# Allegro board BeagleBone AI -64_PCB_V1.02_211119.brd (continued)
## Routing (per net, layer and track width the routed paths; a pad name or vN(x,y) marks a point on that pad's centre or on a via; arc(x,y) is an arc through that point) (continued)
  BOTTOM w0.203: C124.1 v1(2.99,32.09)
  BOTTOM w0.381: v1(2.52,32.31) 2.78,32.05 C124.1
  vias: v1(-3.49,51.19)
VDD_CPU_AVS: length 65.9
  TOP w0.203: U30.22 42.63,49.2 v1(42.65,49.18)
  TOP w0.254: 13.06,65.74 v1(13.06,65.79) ; 14.32,61.43 v1(14.28,61.39) ; v1(13.32,60.02) 13.27,59.98 13.2,59.98 ; v1(11.51,59.95) 11.55,59.98 11.6,59.98
  TOP w0.305: v1(-1.89,51.19) -2.29,50.79 U19.U10 ; v1(-1.89,48.79) -2.29,49.19 U19.R10 -2.29,49.18 v1(-2.69,49.58) ; v1(-3.49,49.58) -3.89,49.19 U19.R12 -3.89,49.18 v1(-4.29,49.58) ; 2.78,63.3 C395.1 2.9,63.3 v1(2.95,63.25) ; U19.N10 -2.29,47.58 v1(-2.69,47.18) ; U19.N10 v1(-1.89,47.18) ; U19.N10 v1(-2.69,47.98) -3.09,48.38 U19.P11 -3.09,48.38 v1(-2.69,48.78) ; U19.W10 -2.29,52.39 v1(-1.89,52.79) ; U19.V11 -3.09,51.59 v1(-2.69,51.99) ; v1(8.64,63.7) 8.62,63.7 8.29,64.03 C415.3 ; C415.1 7.5,63.03 7.73,62.81 7.73,62.28 v1(7.68,62.23) ; v1(-1.09,51.99) -1.49,51.59 U19.V9
  L10-SIGNAL w0.203: v1(42.65,49.18) 42.65,49.62 42.01,50.27 38.72,50.27 37.65,49.2 30.82,49.2 27.29,52.73 9.59,52.73 7.15,50.29 -3.83,50.29 -4.28,50.75 v1(-4.28,51.19)
  BOTTOM w0.203: C80.1 v1(21.98,55.16)
  BOTTOM w0.254: C162.1 -1.87,51.16 v1(-1.89,51.19) ; v1(-2.69,51.19) -2.74,51.14 C175.1
  BOTTOM w0.305: v1(-4.28,51.19) -4.43,51.04 C195.1 ; C162.1 -2.02,50.91 C169.1 ; v1(-1.89,51.19) -2.63,51.19 C175.1 -2.74,51.84 C167.1 ; C169.3 -2.73,49.62 v1(-2.69,49.58)
  vias: v1(4.17,63.25) v1(5.72,63.32) v1(9.38,63.63) v1(9.38,61.63) v1(9.38,59.82) v1(9.76,65.64) v1(11.49,63.65) v1(11.49,61.6) v1(12,65.71) v1(12.69,63.66) v1(12.69,61.76) v1(13.65,60.35) v1(14.66,63.27) v1(14.89,65.79) v1(22.49,55.17) v1(23.09,55.2) v1(23.7,55.21) v1(24.47,55.2) v1(25.8,55.21) v1(26.46,55.23) v1(37.8,45.9) v1(37.8,44.81) v1(38.24,45.33) v1(38.69,45.9) v1(38.67,44.78) v1(45.53,62.87) v1(45.52,62.1) v1(45.68,45.9) v1(45.68,44.81) v1(45.96,62.47) v1(46.12,45.33) v1(46.43,62.87) v1(46.44,62.1) v1(46.54,44.78) v1(46.56,45.9)
VDD_CPU_RAM_0V85: length 11.2
  TOP w0.254: v1(-3.49,52.79) -3.49,52.78 U19.W12 ; U19.L11 v1(-2.69,45.58)
  L5-SIGNAL w0.152: v1(-3.49,52.79) -3.9,52.38 -4.46,52.38 -4.68,52.16 -4.68,46.22 -4.45,46 -3.1,46 v1(-2.69,45.58)
  BOTTOM w0.165: C112.1 7.78,30.56 v1(7.7,30.48)
  vias: v1(2.78,35.16) v1(7.7,29.97)
VDD_DDR_1V1: length 70.4
  TOP w0.102: U25.F10 19.51,40.64 19.85,40.64 19.85,40.64 20.12,40.64 20.12,40.64 20.46,40.64 U25.F8 ; 21.12,47.15 19.51,47.15 U25.U10 18.86,47.15 18.12,47.15
  TOP w0.203: v1(17.16,42.57) 17.07,42.57 16.74,42.24 16.74,41.65 17.01,41.38 17.35,41.38 U25.H12 ; C413.1 v1(7.17,32.08) ; C418.1 v1(8.44,32.01)
  TOP w0.229: 18.88,40.67 18.88,40.62 U25.F10 ; U19.T1 4.92,49.98
  TOP w0.254: U25.H1 v1(26.79,41.94) ; U25.AA3 v1(25.19,49.75) ; v1(-0.29,48.79) -0.69,49.19 U19.R8 ; 18.76,37.37 18.82,37.44 18.9,37.44 U25.B10 ; U29.49 40.57,30.81 40.39,30.99 40.39,31.04 v1(40.43,31.04) ; U19.T7 0.11,49.99 v1(0.51,49.59) ; U25.U8 20.79,47.48 v1(21.19,47.8) ; v1(27.18,48.95) 27.31,48.95 27.13,48.77 U25.W1 ; v1(19.59,42.59) U25.K10 ; 4.91,49.98 U19.T1 4.91,49.98 ; 4.91,49.98 4.91,49.99 ; 4.91,49.98 4.91,49.98 ; U19.P7 0.11,48.38 v1(0.51,47.98) ; U25.B5 22.9,37.44 22.83,37.37 22.54,37.37 v1(22.22,37.69) 21.82,38.09 21.15,38.09 U25.B8 ; v1(22.79,41.29) 23.18,41.62 U25.H5 ; U25.K12 17.59,42.92 17.16,42.57 ; v1(1.31,43.98) 0.91,44.38 U19.J6 ; U25.N1 v1(26.79,44.55) ; C470.1 v1(26.55,34.8) ; v1(22.79,39.99) 23.19,40.32 U25.F5 ; C477.1 v1(29.68,52.66) ; C460.1 20,51.89 20.24,51.66 v1(20.24,51.2) 19.99,50.95 U25.AB9 ; U25.N3 v1(24.39,45.2) ; U25.U5 23.19,47.47 v1(22.79,47.15) ; U19.N8 v1(-0.29,47.18) ; U25.R1 v1(26.79,45.85) ; v1(24.39,42.59) U25.K3 ; C475.1 v1(29.02,38.81) ; U25.D8 21.07,38.74 21.07,38.74 21.17,38.64 ; v1(0.51,46.38) 0.11,46.78 U19.M7 ; 17.16,42.57 v1(17.16,42.57) ; U25.AA8 21.17,50.45 ; U25.F8 v1(21.19,39.99) ; v1(28.51,52.68) 28.28,52.91 C472.1 ; U19.M9 -1.49,46.77 -1.1,46.38 v1(-1.09,46.38) ; 27.6,39.02 v1(27.65,38.97) ; v1(-0.29,45.58) -0.69,45.98 U19.L8 ; C477.3 v1(29.68,53.85) ; U25.B3 v1(25.19,38.04) ; U25.AA5 22.82,50.44 22.82,50.45 ; U19.A1 v1(5.31,37.58) ; U25.D5 22.7,39.02 ; v1(25.19,39.99) 24.79,40.32 U25.F3 ; U25.R12 v1(17.19,45.85) ; C468.1 v1(25.41,32.93) ; U25.W12 17.01,48.77 ; U25.R5 v1(22.79,46.5) ; U19.H7 v1(0.51,43.18) ; v1(21.19,46.5) 20.79,46.18 U25.R8 ; U19.G8 -0.61,42.71 v1(-0.29,42.38) ; U25.N10 v1(19.59,45.2) ; U25.W5 22.72,48.77 ; v1(24.39,37.39) 23.99,37.07 U25.A4 ; C471.1 v1(27.72,33.75) ; C474.1 v1(28.97,33.76) ; v1(1.31,48.79) 0.91,49.19 U19.R6 ; U25.A9 20.02,37.06 20.38,37.35 v1(20.39,37.39) ; U25.W8 21.26,48.77 ; U19.J8 v1(-0.29,43.98) ; U25.N12 17.59,44.47 17.56,44.45 17.56,44.15 v1(17.71,44) ; U25.AA10 18.8,50.45 ; v1(25.19,47.8) 24.79,47.47 U25.U3 ; 4.92,49.98 v1(5.31,49.59) ; U19.K7 v1(0.51,44.78) ; v1(26.79,43.24) U25.K1 ; U25.AB4 v1(23.99,51.26)
  TOP w0.305: 26.39,39.02 26.43,39.02 26.7,38.75 ; 26.39,39.02 26.64,39.27 ; 26.39,39.02 U25.D1 ; U25.H8 v1(21.19,41.29) ; 17.24,39.38 17.24,39.37 U25.D12 17.26,38.7 17.15,38.7
  TOP w0.381: v1(8.95,31.74) 9.19,31.49 C422.1 ; C422.3 9.14,33.49 v1(8.97,33.33)
  L9-PWR/GND w0.381: 32.32,35.31 32.41,35.4 37.91,35.4 38.36,34.95 38.36,33.73 39.81,32.28 39.81,31.66 v1(40.43,31.04)
  BOTTOM w0.229: C57.1 27.46,49.09 27.31,48.95 ; C82.1 20.49,51.98 20.33,51.82 ; 24.06,51.79 23.88,51.98 C73.1 ; C69.1 24.56,36.61 24.39,36.78 ; 5.39,49.56 5.33,49.56 ; C90.1 19.92,35.9 20.05,36.02 ; C103.1 16.36,42.48 16.57,42.68 16.8,42.68
  BOTTOM w0.254: v1(20.24,51.2) 20.33,51.29 20.33,51.82 ; R38.1 v1(29.02,38.81) C55.1 ; v1(17.16,42.57) 17.05,42.68 16.8,42.68 ; v1(20.39,37.39) 20.05,37.06 20.05,36.02 ; R44.1 v1(21.77,53.5) ; v1(5.31,49.59) 5.7,49.2 5.7,49.1 5.91,48.89 C116.1 ; v1(21.8,35.44) R43.1 R42.1 ; v1(24.39,37.39) 24.39,37.39 24.39,36.78 ; v1(23.99,51.26) 24.06,51.34 24.06,51.79 ; v1(27.18,48.95) 27.31,48.95 27.09,48.72 26.63,48.72 R39.1 ; v1(5.31,37.58) 5.8,37.58 6.01,37.78 C115.1
  vias: v1(7.17,33.27) v1(7.61,35.47) v1(8.44,33.27) v1(8.85,35.47) v1(10.27,35.47) v1(10.42,48.04) v1(10.42,45.5) v1(10.42,39.15) v1(11.46,35.46) v1(14.97,46.34) v1(16.52,32.93) v1(18.07,53.5) v1(18.68,32.93) v1(20.61,34.45) v1(20.84,32.93) v1(21.99,40.59) v1(23.12,32.93) v1(25.18,34.45) v1(26.3,43.77) v1(26.5,53.52) v1(27.72,35.09) v1(27.85,35.72) v1(28.66,44.97) v1(28.66,43.31) v1(28.66,42.07) v1(28.78,48.19) v1(28.84,47.68) v1(28.97,35.09) v1(29.55,44.97) v1(29.6,43.06) v1(30.66,33.99) v1(30.82,36.04) v1(30.99,45.75) v1(30.99,45.11) v1(30.99,44.55) v1(32.11,45.72) v1(32.15,44.53) v1(32.16,45.09)
VDD_DDR_1V1_REG: length 16.7
  TOP w0.305: R348.1 C504.1 v1(39.28,43.46)
  TOP w0.381: v1(38.33,37.42) 37.8,36.88 R347.1
  L10-SIGNAL w0.305: v1(38.33,37.42) 37.19,38.56 35.31,38.56 32.16,41.71 v1(32.16,42.85)
  BOTTOM w0.305: 33.81,42.9 38.72,42.9 v1(39.28,43.46) ; 33.56,43.46 33.56,43.46
  vias: v1(30.99,43.49) v1(30.99,42.85) v1(32.15,43.55) v1(33.23,43.51) v1(33.23,42.83)
VDD_DDR_1V8: length 6.8
  TOP w0.229: U25.G4 v1(23.59,41.29) ; U25.U1 26.39,47.47 v1(26.79,47.15) ; U25.T4 v1(24.39,46.5) ; v1(26.79,40.64) 26.39,40.32 U25.F1 ; U25.F12 v1(17.19,39.99) ; U25.G9 v1(19.59,41.29)
  TOP w0.254: v1(17.19,47.8) 17.26,47.8 U25.U12 ; v1(19.59,46.5) 19.99,46.82 U25.T9
  BOTTOM w0.229: v1(26.79,47.15) 26.92,47.28 27.6,47.28 27.65,47.23 ; v1(17.19,47.8) 16.98,47.8 16.62,47.43 C99.1 ; v1(17.19,39.99) 17.06,39.86 16.67,39.86 16.49,39.68 C100.1
  vias: v1(18.33,34.45) v1(20.26,53.5) v1(22.77,34.45) v1(23.44,53.5) v1(26.61,51.98) v1(27.65,47.26) v1(27.65,40.56) v1(28.43,50.04) v1(28.43,49.48) v1(28.4,48.97) v1(28.84,49.18) v1(29.07,40.52)
VDD_IO_1V8_REG: length 2.1
  TOP w0.305: U29.9 35.14,25.14 35.05,25.22 v1(34.55,25.22) 34.52,25.22 C485.1
  vias: v1(34.27,24.79)
VDD_MCU_0V85: length 22.2
  TOP w0.203: C340.3 v1(-19.06,31.48) ; C345.3 v1(-16.99,31.5) ; FL13.1 v1(-13.02,31.05)
  TOP w0.254: C347.1 -17.05,27.87 v1(-17.09,27.87) ; C340.1 v1(-19.06,30.25) ; C347.3 v1(-16.94,29.08) ; C343.1 v1(-18.9,33.31) ; C345.1 v1(-16.99,30.25) ; C344.1 v1(-17.94,33.31) ; C346.1 v1(-16.98,33.32) ; -19.06,27.58 v1(-19.06,27.64)
  TOP w0.305: U19.P19 -9.49,48.38 v1(-9.89,47.98) ; C341.3 -18.4,29.56 v1(-17.98,29.14) ; v1(-10.69,45.58) -10.29,45.98 U19.L20 ; U19.M19 -9.49,46.78 v1(-9.89,46.38) ; U30.50 42.13,58.51 v1(42.13,58.51) ; U19.M21 -11.09,46.78 v1(-11.49,46.38) ; v1(-10.69,47.18) -10.29,47.58 U19.N20
  L5-SIGNAL w0.381: v1(33.79,59.74) 36.71,59.74 38.61,57.84 41.46,57.84 v1(42.13,58.51)
  BOTTOM w0.254: v1(-11.49,46.38) -11.49,46.39 C255.1 ; v1(33.28,60.16) 33.61,60.49 35.26,60.49 36,59.74 R29.2 36.52,59.51 36.34,59.33 34.21,59.33 v1(33.79,59.74)
VDD_MCU_0V85_REG:
  vias: v1(37.51,62.82) v1(37.5,61.72) v1(37.94,62.26) v1(38.41,62.82) v1(38.38,61.7)
VDD_MCU_RAM_0V85: length 1.2
  TOP w0.203: C354.1 v1(-13.4,34.39) ; -14.79,32.87 v1(-14.79,32.88)
  TOP w0.305: U19.T19 -9.49,49.99 v1(-9.89,49.59) ; v1(-9.89,44.78) -9.49,45.18 U19.K19
VDD_MMC1: length 0.5
  BOTTOM w0.254: v1(-30.45,55.86) v1(-30.45,56.36)
VDD_PHYIO_1V8: length 1.9
  TOP w0.203: FL15.1 v1(-11.37,31.19)
  TOP w0.305: FL19.1 v1(-2.86,65.91) ; U30.37 v1(47.03,54.62)
  BOTTOM w0.254: FL2.1 19.7,55.19 19.44,55.19 19.23,55.4 18.98,55.4 18.98,55.44 v1(19.02,55.44)
  BOTTOM w0.406: FL18.1 v1(-4.05,29.97)
  vias: v1(-10.89,31.55) v1(20.02,55.3) v1(50.73,54.46) v1(50.78,53.6) v1(51.3,54) v1(51.82,54.43) v1(51.82,53.57)
VDD_RAM_0V85_REG: length 4.9
  TOP w0.203: FL25.1 v1(7.7,28.26)
  TOP w0.254: U29.37 v1(45.01,26.64)
  L10-SIGNAL w0.381: v1(48.34,26.21) 47.91,26.65 46.13,26.65 46.12,26.64 v1(45.01,26.64)
  BOTTOM w0.203: FL4.1 5.6,28.29 v1(5.62,28.27)
  vias: v1(6.43,28.17) v1(48.39,25.35) v1(48.92,25.75) v1(49.43,26.21) v1(49.41,25.33)
VDD_SD_DV: length 18.7
  TOP w0.203: v1(-28.77,51.28) R189.1 ; v1(-27.25,59.62) -27.35,59.72 R201.1 ; v1(-28.77,54.13) -28.85,54.05 R188.1 ; R203.1 -27.3,57.71 -26.94,57.35
  TOP w0.254: R203.1 -27.35,57.74 R202.1 ; -26.94,57.35 -26.94,57.25 v1(-26.89,57.2)
  TOP w0.305: U19.T22 -11.89,49.99 v1(-12.29,49.59) ; U19.T20 -10.29,49.99 v1(-10.69,49.59)
  L5-SIGNAL w0.305: v1(-10.69,49.59) -11.2,50.1 -11.79,50.1 -12.29,49.59 ; -12.29,49.59 -12.79,50.09 -19.53,50.09 -20.85,48.77 v1(-21.99,48.77) ; -12.29,49.59 v1(-12.29,49.59)
  L5-SIGNAL w0.381: v1(-26.89,57.2) -27.25,57.56 v1(-27.25,59.62)
  BOTTOM w0.254: v1(-21.99,48.77) -22.06,48.7 C279.1
  vias: v1(-28.62,49.81) v1(-27.96,49.77) v1(-19.04,49.63) v1(-18.54,49.63) v1(35.82,19.38) v1(35.82,18.87)
VDD_SD_DV_REG: length 2
  TOP w0.305: v1(34.7,22.23) 34.78,22.3 34.78,22.34 35.58,23.14 U29.13
  vias: v1(34.27,22)
VDDA_0P8_CSIRX: length 2.1
  TOP w0.305: U19.H17 -7.89,43.58 v1(-8.29,43.18)
  BOTTOM w0.254: C222.1 -8.13,43.02 v1(-8.29,43.18)
  BOTTOM w0.381: v1(-7.89,34.35) C213.1 -7.28,34.35 -7.28,33.75 -7.24,33.71
VDDA_0P8_DLL_MMC0: length 19.4
  TOP w0.254: U19.Y9 -1.49,53.19 v1(-1.09,53.59)
  L10-SIGNAL w0.152: 2.76,61.35 2.53,61.12 2.53,60.66 2.27,60.4 1.98,60.4 1.72,60.15 1.72,59.86 1.47,59.6 1.18,59.6 0.9,59.32 0.9,58.23 0.64,57.97 0.35,57.97 0.11,57.73 0.11,53.44 -0.13,53.2 -0.7,53.2 v1(-1.09,53.59)
  L10-SIGNAL w0.305: v1(3.56,62.16) 2.76,61.35
  BOTTOM w0.305: v1(3.56,62.16) 4.17,61.55 6.44,61.55 6.53,61.64 C114.1
  BOTTOM w0.381: C114.1 7.05,62.73 C113.1 6.88,63.76 6.88,63.76 FL3.2
VDDA_0P8_DP: length 1.1
  TOP w0.305: U19.J12 -3.89,44.38 v1(-3.49,43.98) ; U19.G12 -3.89,42.78 v1(-3.49,42.38)
  vias: v1(-1.8,34.37)
VDDA_0P8_DP_C: length 2.5
  TOP w0.305: v1(-5.09,42.38) -5.49,42.78 U19.G14 ; U19.H13 -4.69,43.58 v1(-4.29,43.18)
  BOTTOM w0.305: v1(-5.09,42.38) -4.66,42.81 -4.66,42.93 -4.32,43.27 -4.32,43.29 -4.29,43.25 v1(-4.29,43.18)
  vias: v1(-2.2,33.71)
VDDA_0P8_DSITX: length 3.4
  TOP w0.305: U19.H15 -6.29,43.58 v1(-6.69,43.18) ; v1(-7.53,35.82) -7.53,35.32 -7.28,35.07 -7.28,34.35 ; v1(-7.49,43.98) -7.09,44.38 U19.J16
  TOP w0.381: -7.24,33.7 -7.28,33.74 -7.28,34.35
  BOTTOM w0.305: -7.56,35.85 v1(-7.53,35.82)
VDDA_0P8_PLL_DDR: length 0.6
  TOP w0.305: U19.N9 -1.49,47.58 v1(-1.09,47.18)
  vias: v1(4.21,32.34)
VDDA_0P8_PLL_MLB: length 16.8
  TOP w0.254: U19.W8 -0.69,52.39 v1(-0.29,52.79)
  TOP w0.381: FL26.2 C427.1 10.67,58.66 C420.1
  L3-SIGNAL w0.152: 5.42,57.71 4.4,57.71 3.86,57.17 3.55,57.17 3.33,56.95 3.33,56.63 3.06,56.37 2.75,56.37 2.53,56.15 2.53,55.83 2.26,55.57 1.95,55.57 1.72,55.35 1.72,55.03 1.46,54.77 1.15,54.77 0.92,54.55 0.92,54.23 0.67,53.98 0.35,53.98 0.12,53.75 0.12,53.2 v1(-0.29,52.79)
  L3-SIGNAL w0.381: 5.42,57.71 6.1,58.4 7.82,58.4 7.87,58.35 9.15,58.35 v1(9.51,58.7)
VDDA_0P8_SERDES: length 4.6
  TOP w0.305: v1(-4.29,53.59) -4.69,53.19 U19.Y13 ; U19.AA15 -6.29,53.99 v1(-6.69,54.39) ; U19.Y16 -7.09,53.19 v1(-7.49,53.59) ; v1(-5.89,53.59) -5.49,53.19 U19.Y14 ; U19.AA12 -3.89,53.99 v1(-3.49,54.39) ; C352.1 v1(-12.59,65.33) ; v1(-2.69,53.59) -3.09,53.19 U19.Y11 ; FL14.2 v1(-12.59,64.13)
  L12-SIGNAL w0.406: v1(-2.69,53.59) v1(-3.49,54.39)
VDDA_0P8_SERDES_C: length 3
  TOP w0.305: U19.AB12 -3.89,54.79 v1(-3.49,55.19) ; v1(-4.29,55.19) -4.69,54.79 U19.AB13 ; U19.AB14 -5.49,54.79 v1(-5.89,55.19) ; U19.AB15 -6.29,54.79 v1(-6.69,55.19) ; v1(-6.55,67.01) -6.3,66.76 C369.1
  vias: v1(-6.55,66.35)
VDDA_0P8_USB: length 15.7
  TOP w0.305: U19.AA10 -2.29,53.99 v1(-1.89,54.39) ; U19.AB9 v1(-1.09,55.18)
  TOP w0.381: v1(1.52,63.16) C390.1 1.6,63.24 C389.1 1.66,64.49 FL21.2
  L5-SIGNAL w0.152: v1(-1.09,55.18) -0.69,55.58 -0.12,55.58 0.12,55.81 0.12,61.05 0.38,61.31 1.17,61.31
  L5-SIGNAL w0.381: v1(1.52,63.16) 1.52,61.66 1.17,61.31
  L5-SIGNAL w0.406: v1(-1.09,55.18) -1.52,54.75 -1.52,54.75 v1(-1.89,54.39)
  BOTTOM w0.406: C238.1 1.23,63.45 v1(1.52,63.16)
VDDA_1P8_CSI_RX: length 0.6
  TOP w0.203: C363.1 v1(-10.37,34.38)
  TOP w0.254: C364.1 v1(-9.81,32.7)
  TOP w0.305: U19.G16 -7.09,42.78 v1(-7.49,42.38)
VDDA_1P8_DP: length 1.9
  TOP w0.305: v1(-2.69,43.18) -3.09,43.58 U19.H11
  TOP w0.406: v1(-3.83,35.03) -4.26,35.03 -4.67,34.62 C378.1
VDDA_1P8_DSITX: length 33.9
  TOP w0.254: 0.51,52.79 v1(0.51,52.79) 0.11,52.39 U19.W7 0.13,52.41
  TOP w0.305: U19.J14 -5.49,44.38 v1(-5.09,43.98) ; v1(-0.29,55.99) -0.69,55.59 U19.AC8
  L5-SIGNAL w0.152: 0.11,61.8 -0.7,60.99 -0.7,56.4 v1(-0.29,55.99)
  L5-SIGNAL w0.381: v1(-0.58,63.68) 0.11,62.99 0.11,61.8
  L10-SIGNAL w0.127: v1(-0.29,55.99) -0.68,55.6 -0.68,54.8 -0.67,54.79 -0.67,54.27 -0.99,53.96 -1.24,53.96 -1.52,53.69 -1.52,53.43 -1.75,53.2 -4.85,53.2 ; v1(0.51,52.79) 0.14,52.41 -4.74,52.41 ; -4.74,52.41 -4.77,52.41 ; -4.74,52.41 -4.98,52.66 ; -4.77,52.41 -4.97,52.41 -4.98,52.4 ; -4.77,52.41 -4.98,52.2
  L10-SIGNAL w0.305: -4.85,53.2 -4.98,53.07 -4.98,51.2 -5.63,50.55 -5.63,44.52 v1(-5.09,43.98)
  BOTTOM w0.381: C149.1 v1(-0.58,63.68)
  BOTTOM w0.406: C191.1 -4.67,34.62 v1(-5.1,35.05)
VDDA_1P8_SERDES: length 2.5
  TOP w0.305: U19.AC15 v1(-6.69,55.98) ; U19.AC12 -3.89,55.59 v1(-3.49,55.99) ; v1(-5.89,55.99) -5.49,55.59 U19.AC14 ; v1(-2.69,55.99) -3.09,55.59 U19.AC11
  BOTTOM w0.254: C94.1 v1(18.35,58.62) ; C87.1 v1(19.62,58.25)
VDDA_1P8_USB: length 12
  TOP w0.305: v1(-1.09,55.99) -1.49,55.59 U19.AC9
  TOP w0.381: v1(-1.42,63.4) -1.44,63.42 C382.1 -1.39,64.53 FL19.2
  L5-SIGNAL w0.152: -0.45,61.8 -0.91,61.34 -1.29,61.34 -1.49,61.14 -1.49,56.39 v1(-1.09,55.99)
  L5-SIGNAL w0.381: -0.45,61.8 -0.45,62.71 -0.78,63.04 -1.06,63.04 v1(-1.42,63.4)
VDDA_LM5141: length 3.8
  BOTTOM w0.203: U3.2 15.93,13.54 15.78,13.39 15.78,13.08 15.74,13.04 ; 15.74,13.04 U3.1 ; 15.74,13.04 15.53,13.04 v1(15.42,12.93) 15.38,12.89 C106.2 ; U3.5 v1(15.88,15.04) ; v1(19.74,11.69) 19.64,11.79 U3.19
VINT_LEOA_1V8: length 13.2
  TOP w0.254: R338.1 33.33,48.16 v1(33.51,48.34)
  TOP w0.305: v1(36.2,57.56) 36.46,57.56 36.68,57.33 36.84,57.33 37.54,56.62 U30.2
  L5-SIGNAL w0.381: v1(33.51,48.34) 34.32,49.15 34.32,54.74 35.64,56.06 35.64,57 v1(36.2,57.56)
VINT_LEOB_1V8: length 2.5
  TOP w0.305: U29.2 35.42,28.64 C482.1
A23_USB_HUB_RST: length 16
  TOP w0.165: U19.A23 -12.98,37.69 -12.98,37.24 -12.03,36.3 v1(-12.03,35.49) ; R289.1 -15.82,24.3 v1(-15.56,24.56)
  L10-SIGNAL w0.102: v1(-15.56,24.56) -15.56,25.81 -15.08,26.29 -15.08,31.8 -12.92,33.96 -12.92,34.6 v1(-12.03,35.49)
AA1_UART1_CTSN: length 47.1
  TOP w0.165: v1(43.01,63.55) 43.64,64.19 U32.13 ; v1(7.5,55.75) 6.68,55.75 U19.AA1
  L3-SIGNAL w0.102: v1(43.01,63.55) 43.01,63.15 43.05,63.11 43.05,61.06 41.34,59.36 41.34,59.17 v1(41.05,58.88)
  L5-SIGNAL w0.102: v1(15.58,57.66) 13.6,57.66 12.45,56.52 10.78,56.52 10.32,56.97 9.82,56.97 8.98,56.14 7.88,56.14 v1(7.5,55.75)
  L10-SIGNAL w0.102: v1(41.05,58.88) 41.05,58.35 40.77,58.07 34.7,58.07 34.61,57.98 32.89,57.98 32.14,57.23 18.68,57.23 17.96,57.94 15.86,57.94 v1(15.58,57.66)
AA2_UART0_RTSN: length 18
  TOP w0.229: U19.AA2 4.51,54.38 v1(4.51,54.39)
  L10-SIGNAL w0.102: v1(4.51,54.39) 4.75,54.39 5.08,54.71 5.39,54.71 5.75,55.07 5.75,57.53 7.5,59.29 13.43,59.29 15.68,61.54 16.23,61.54 16.49,61.8 16.54,61.8 16.54,61.79 v1(16.53,61.79)
  BOTTOM w0.165: R55.1 16.52,62.25 16.53,62.24 v1(16.53,61.79)
AA3_I2C6_SCL: length 7.1
  TOP w0.229: v1(3.71,54.39) 3.31,53.99 U19.AA3
  L3-SIGNAL w0.102: v1(3.71,54.39) 3.71,54.68 4.15,55.12 4.15,55.34 4.37,55.55 6.13,55.55 6.41,55.27 8.52,55.27 8.74,55.5 v1(9.15,55.5)
  BOTTOM w0.165: v1(9.15,55.5) 9.2,55.5 R78.1
AA4_UART1_RXD: length 51.4
  TOP w0.165: U32.15 44.64,64.05 v1(44.15,63.55)
  TOP w0.229: v1(2.91,54.39) 2.51,53.99 U19.AA4
  L5-SIGNAL w0.102: v1(44.15,63.55) 43.54,62.94 40.85,62.94 39,61.09 36.96,61.09 36.4,61.65 32.59,61.65 32.28,61.33 29.05,61.33 28.05,62.33 25.51,62.33 24.64,61.47 24.64,60.35 23.08,58.78 19.74,58.78 19.39,59.13 17.21,59.13 16.5,58.42 12.93,58.42 12.81,58.29 5.32,58.29 4.15,57.13 4.15,56.72 3.86,56.43 3.64,56.43 3.27,56.06 3.27,55.84 2.98,55.55 2.76,55.55 2.55,55.34 2.55,54.75 v1(2.91,54.39)
AA6_I2C1_SDA: length 148.3
  TOP w0.165: v1(17.05,62.13) 17.41,61.77 17.41,59.64 17.15,59.39 16.08,59.39 v1(15.55,58.85) ; U21.7 50.13,7.05 50.7,6.48 51.73,6.48 52.43,7.18 52.43,10.03 51.57,10.9 51.06,10.9 v1(50.22,11.74) ; J15.21 v1(8.69,72.73)
  TOP w0.229: U19.AA6 1.31,54.38 v1(1.31,54.39)
  L5-SIGNAL w0.102: v1(17.05,62.13) 16.14,63.03 16.14,65.17 13.42,67.9 13.42,71.45 12.14,72.73 v1(8.69,72.73)
  L10-SIGNAL w0.102: v1(50.22,11.74) 49.87,12.09 49.87,15.19 50.6,15.93 50.6,23.85 51.2,24.45 51.2,33.82 52.41,35.03 52.41,37.18 50.69,38.89 50.69,42.96 48.67,44.98 48.67,51.39 49.97,52.68 49.97,58.04 50.39,58.46 50.39,61.55 47.97,63.96 41.88,63.96 38.56,60.63 33.18,60.63 32.87,60.94 32.34,60.94 30.91,59.51 27.67,59.51 26.94,58.79 20.64,58.79 19.79,59.64 16.34,59.64 v1(15.55,58.85)
  L12-SIGNAL w0.102: v1(15.55,58.85) 15.55,58.41 16.61,57.35 16.61,54.63 15.81,53.83 6.34,53.83 5.7,53.19 2.75,53.19 2.52,53.42 2.52,53.74 2.27,53.98 1.72,53.98 v1(1.31,54.39)
  BOTTOM w0.165: R51.2 15.86,58.12 15.55,58.43 v1(15.55,58.85)
AA24_PRG0_PRU1_GPO7: length 41.9
  TOP w0.229: U19.AA24 -13.49,53.99 v1(-13.89,54.39)
  L5-SIGNAL w0.102: v1(-30.73,53.75) -28.54,53.75 -27.76,54.54 -25.22,54.54 -24.61,55.14 -24.26,55.14 -24.02,55.38 -23.47,55.38 -23.39,55.3 -18.91,55.3 -18.36,54.75 -16.94,54.75 -16.73,54.54 -16.73,54.32 -16.37,53.95 -14.33,53.95 v1(-13.89,54.39)
  L10-SIGNAL w0.102: v1(-29.41,74.58) -29.91,74.07 -29.91,64.59 -30.4,64.11 -30.63,64.11 -30.98,63.76 -30.98,60.78 -31.82,59.95 -31.82,54 -31.57,53.75 v1(-30.73,53.75)
AA25_PRG0_UART0_TXD: length 31.7
  TOP w0.229: U19.AA25 -14.29,53.99 v1(-14.69,54.39)
  L5-SIGNAL w0.102: v1(-26.77,55.9) -26.24,55.37 -24.35,55.37 -24.07,55.65 -22.52,55.65 -22.42,55.55 -20.81,55.55 -20.78,55.53 -20.34,55.53 -20.31,55.55 -16.95,55.55 -16.73,55.34 -16.73,55.12 -16.44,54.83 -15.13,54.83 v1(-14.69,54.39)
  BOTTOM w0.165: P8.29 -16.69,67.69 -16.83,67.54 -17.9,67.54 -20.11,65.33 -20.11,64.49 -21.89,62.71 -22.65,62.71 -24.78,60.59 -24.78,58.61 -26.77,56.61 v1(-26.77,55.9)
AA26_GPIO0_81: length 6.3
  TOP w0.165: R255.1 -20.71,54.16 -20.44,54.43 -19.98,54.43 v1(-19.53,54.89)
  TOP w0.229: v1(-15.49,54.39) -15.09,53.99 U19.AA26
  L12-SIGNAL w0.102: v1(-19.53,54.89) -19.13,54.89 -19.03,54.79 -15.9,54.79 v1(-15.49,54.39)
AA27_I2C5_SDA: length 43.4
  TOP w0.165: v1(-22.25,53.75) R235.2 ; J13.21 -16.03,71.64 v1(-15.89,71.78)
  TOP w0.229: U19.AA27 v1(-16.29,54.39)
  L3-SIGNAL w0.102: v1(-16.29,54.39) -16.7,53.98 -18.26,53.98 -18.79,53.44 -20.44,53.44 -20.64,53.65 -21.73,53.65 -21.84,53.75 v1(-22.25,53.75)
  L10-SIGNAL w0.102: v1(-15.89,71.78) -19.91,67.77 -26.33,67.77 -28.21,65.89 -28.21,63.79 -27.73,63.31 -27.73,61.76 -28.02,61.47 -28.02,58.64 -29.06,57.6 -29.06,55.25 -29.19,55.11 v1(-29.19,54.57)
  L12-SIGNAL w0.102: v1(-22.25,53.75) -22.52,54.03 -24.84,54.03 -25.3,54.5 -29.19,54.5 -29.23,54.54 -29.25,54.54 -29.25,54.55 -29.19,54.55 -29.18,54.56 -29.18,54.57 v1(-29.19,54.57)
AA28_PRG0_PRU1_GPO8: length 31.9
  TOP w0.229: U19.AA28 -16.69,53.99 v1(-17.09,54.39)
  L5-SIGNAL w0.102: v1(-17.09,54.39) -17.38,54.39 -17.74,54.03 -18.51,54.03 -18.92,54.43 -21.71,54.43 -22.31,55.03 -22.78,55.03 -23.39,54.42 -24.14,54.42 v1(-24.43,54.71)
  L10-SIGNAL w0.102: v1(-14.4,69.09) -17.04,69.09 -18.56,67.57 -18.56,66.96 -19.15,66.37 -21.2,66.37 -21.89,65.69 -21.89,64.8 -22.42,64.27 -23.7,64.27 -25.01,62.95 -25.01,60.21 -24.92,60.12 -24.92,59.82 -25.01,59.73 -25.01,57.52 -24.97,57.47 -24.97,57.17 -25.01,57.12 -25.01,55.97 -24.95,55.91 -24.95,55.62 -24.43,55.1 v1(-24.43,54.71)
  BOTTOM w0.165: v1(-14.4,69.09) -14.15,68.84 P8.27
AA29_USD_PWR_EN: length 20
  TOP w0.229: U19.AA29 v1(-17.89,54.39)
  BOTTOM w0.114: -18.37,54.39 v1(-17.89,54.39)
  BOTTOM w0.165: R153.2 -33.01,58.95 -32.51,58.45 U6.2 -31.46,58.45 -30.91,57.89 -30.91,57.1 -30.63,56.82 -30.07,56.82 -29.86,56.62 -29.86,56.03 -29.12,55.29 -28.14,55.29 -28.08,55.34 -27.73,55.34 -26.93,54.54 -26.21,54.54 -25.96,54.28 -23.03,54.28 -22.98,54.23 -22.37,54.23 -22.15,54.45 -18.44,54.45 -18.37,54.39
AB1_EQEP0_B: length 12.6
  TOP w0.229: U19.AB1 5.31,55.18 v1(5.31,55.19)
  L5-SIGNAL w0.102: v1(16.16,55.7) 15.68,55.22 15.68,55.05 15.28,54.66 7.58,54.66 7.05,55.19 v1(5.31,55.19)
  BOTTOM w0.165: R48.1 v1(16.16,55.7)
AB2_UART0_RXD: length 62.1
  TOP w0.229: 4.11,54.79 v1(4.51,55.19) 4.51,55.18 U19.AB2 4.11,54.79
  L5-SIGNAL w0.102: v1(51.59,42.85) 51.59,46.74 45.45,52.88 44.66,52.88 40.85,56.69 37.7,56.69 37.12,57.28 37.12,57.81 36.72,58.21 31.91,58.21 30.55,56.85 17.6,56.85 16.62,55.86 16.62,55.07 15.98,54.43 7.47,54.43 7.15,54.75 4.95,54.75 v1(4.51,55.19)
  BOTTOM w0.165: R373.1 50.96,42.22 v1(51.59,42.85)
AB3_UART0_TXD: length 62.6
  TOP w0.229: U19.AB3 3.71,55.18 v1(3.71,55.19) 3.31,54.79 U19.AB3
  L5-SIGNAL w0.102: v1(51.59,42.09) 51.16,42.52 51.16,43.28 51.37,43.49 51.37,46.64 45.35,52.66 44.56,52.66 40.75,56.47 37.6,56.47 36.89,57.18 36.89,57.72 36.63,57.98 32,57.98 30.64,56.62 17.7,56.62 17.16,56.07 17.15,56.07 16.94,55.86 16.94,55.06 16.07,54.2 5.21,54.2 4.66,54.75 4.15,54.75 v1(3.71,55.19)
  BOTTOM w0.165: v1(51.59,42.09) 51.67,42.01 R375.1
AB4_UART1_TXD: length 54.3
  TOP w0.165: U32.14 v1(44.14,64.68)
  TOP w0.229: v1(2.91,55.19) 2.91,55.18 U19.AB4
  L5-SIGNAL w0.102: v1(44.14,64.68) 44.52,64.3 44.52,63.11 44.1,62.69 41.23,62.69 40.65,62.1 40.65,59.41 40.27,59.03 38.3,59.03 36.8,60.53 33.32,60.53 32.96,60.89 31.25,60.89 30.23,59.87 29.55,59.87 29.01,60.4 29.01,61.04 28.18,61.88 25.38,61.88 25.1,61.59 25.09,61.59 24.88,61.38 24.88,61.37 24.87,61.37 24.87,60.25 22.49,57.86 19.44,57.86 19.13,58.17 13.03,58.17 12.1,57.24 11.46,57.24 11.3,57.41 6.58,57.41 5.54,56.37 4.38,56.37 4.15,56.14 4.15,55.92 3.82,55.59 3.31,55.59 v1(2.91,55.19)
AB5_UART1_RTSN: length 51.9
  TOP w0.165: U32.12 v1(43.14,64.49)
  TOP w0.229: v1(2.11,55.19) 2.11,55.18 U19.AB5
  L3-SIGNAL w0.102: v1(15.07,55.32) 15.07,55.98 15.86,56.77 16.29,56.77 16.9,56.16 17.78,56.16 19.02,54.92 21.01,54.92 21.75,55.65 25.33,55.65 25.89,56.21 25.89,59.21 26.69,60.01 28.42,60.01 28.43,60.02 v1(28.84,60.02)
  L10-SIGNAL w0.102: v1(28.84,60.02) 29.11,59.74 30.82,59.74 32.49,61.42 36.42,61.42 36.88,60.96 38.56,60.96 41.79,64.19 42.84,64.19 v1(43.14,64.49)
  L12-SIGNAL w0.102: v1(2.11,55.19) 2.35,55.19 2.75,55.58 3.87,55.58 4.12,55.34 4.12,55.02 4.36,54.78 5.97,54.78 6.24,54.52 14.49,54.52 15.07,55.09 v1(15.07,55.32)
AB23_MCAN8_RX: length 18.2
  TOP w0.229: U19.AB23 -12.69,54.79 v1(-13.09,55.19)
  L5-SIGNAL w0.102: v1(-13.09,55.19) -12.72,55.56 -12.72,56.87 -12.44,57.15 -12.22,57.15 -11.88,57.49 -11.88,60.3 -13.43,61.85 -13.43,63.48 -13.28,63.64 -13.28,65.31 -12.8,65.79 -11.09,65.79 -9.24,67.64 v1(-9.24,68.18)
  BOTTOM w0.165: v1(-9.24,68.18) -9.07,68.35 P8.23
AB24_SYS_BOOTMODE7: length 70.5
  TOP w0.229: U19.AB24 v1(-13.89,55.19)
  L3-SIGNAL w0.102: v1(-19.07,53.9) -18.22,54.75 -14.33,54.75 v1(-13.89,55.19)
  L5-SIGNAL w0.102: v1(-28.69,56.35) -26.69,56.35 -26.61,56.26 -23.97,56.26 -23.84,56.13 -22.93,56.13 -22.33,56.73 -20.82,56.73 -20.72,56.63 -20.41,56.63 -20.27,56.78 -19.77,56.78 -19.34,56.35 -16.94,56.35 -16.73,56.14 -16.73,55.91 -16.38,55.55 -14.26,55.55 v1(-13.89,55.19)
  BOTTOM w0.165: v1(-28.69,56.35) -29.12,56.77 -29.12,57.7 -28.21,58.6 -28.21,59.29 -26.41,61.09 -25.68,61.09 -23.59,63.18 -23.59,63.66 -22.99,64.26 -22.46,64.26 -21.99,64.73 -21.99,66.14 -20.39,67.74 -20.39,70.28 -19.78,70.89 -12.87,70.89 -12.29,71.48 -7.46,71.48 -7.09,71.11 1.54,71.11 2.27,70.38 5.67,70.38 6.17,69.88 P8.11 ; R119.1 R118.2 -19.12,53.9 v1(-19.07,53.9)
